# KiCad board GNSS_breakout_L86-M33.kicad_pcb (continued)
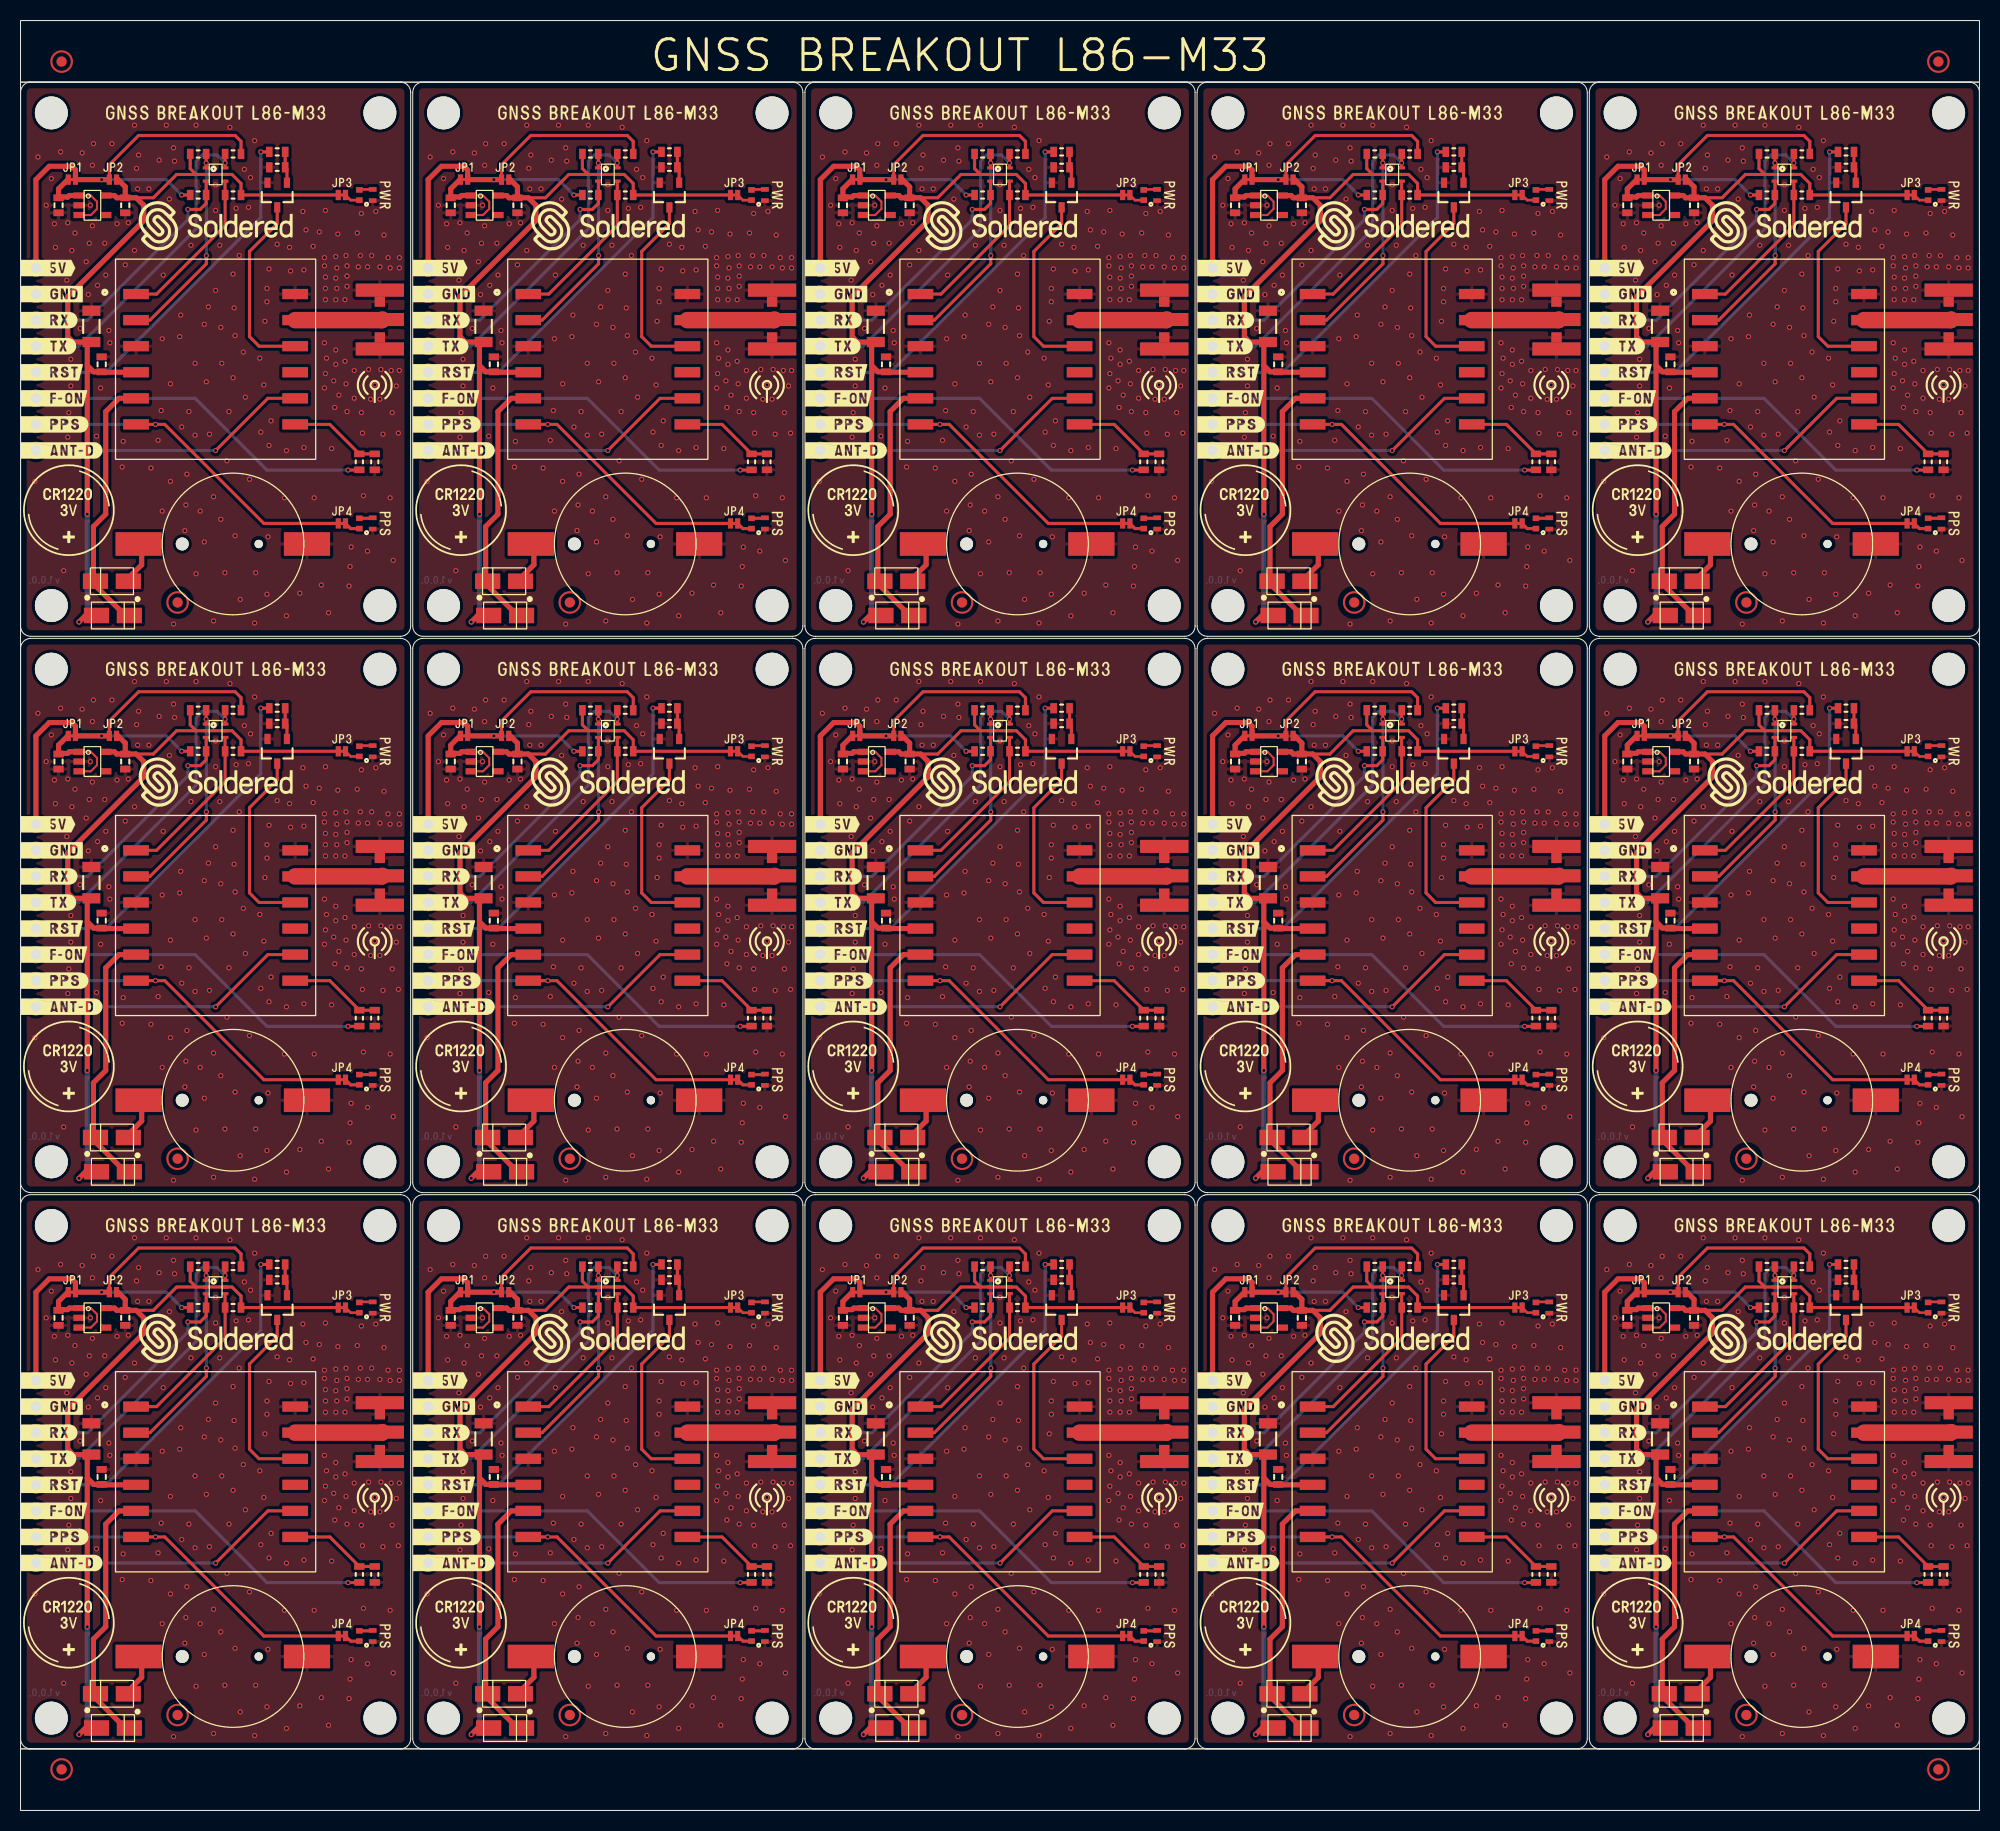
[diagram p0: board, top side]
## Nets (continued)
Net-(D4-Pad1): D4.1 D4#2.1 D4#3.1 D4#4.1 D4#5.1 D4#6.1 D4#7.1 D4#8.1 D4#9.1 D4#10.1 D4#11.1 D4#12.1 D4#13.1 D4#14.1 D4#15.1 R10.2 R10#2.2 R10#3.2 R10#4.2 R10#5.2 R10#6.2 R10#7.2 R10#8.2 R10#9.2 R10#10.2 R10#11.2 R10#12.2 R10#13.2 R10#14.2 R10#15.2
Net-(JP3-Pad2): JP3.2 JP3#2.2 JP3#3.2 JP3#4.2 JP3#5.2 JP3#6.2 JP3#7.2 JP3#8.2 JP3#9.2 JP3#10.2 JP3#11.2 JP3#12.2 JP3#13.2 JP3#14.2 JP3#15.2 R9.1 R9#2.1 R9#3.1 R9#4.1 R9#5.1 R9#6.1 R9#7.1 R9#8.1 R9#9.1 R9#10.1 R9#11.1 R9#12.1 R9#13.1 R9#14.1 R9#15.1
Net-(JP4-Pad2): JP4.2 JP4#2.2 JP4#3.2 JP4#4.2 JP4#5.2 JP4#6.2 JP4#7.2 JP4#8.2 JP4#9.2 JP4#10.2 JP4#11.2 JP4#12.2 JP4#13.2 JP4#14.2 JP4#15.2 R10.1 R10#2.1 R10#3.1 R10#4.1 R10#5.1 R10#6.1 R10#7.1 R10#8.1 R10#9.1 R10#10.1 R10#11.1 R10#12.1 R10#13.1 R10#14.1 R10#15.1
Net-(Q1-Pad1): Q1.1 Q1#2.1 Q1#3.1 Q1#4.1 Q1#5.1 Q1#6.1 Q1#7.1 Q1#8.1 Q1#9.1 Q1#10.1 Q1#11.1 Q1#12.1 Q1#13.1 Q1#14.1 Q1#15.1 R2.2 R2#2.2 R2#3.2 R2#4.2 R2#5.2 R2#6.2 R2#7.2 R2#8.2 R2#9.2 R2#10.2 R2#11.2 R2#12.2 R2#13.2 R2#14.2 R2#15.2 R6.1 R6#2.1 R6#3.1 R6#4.1 R6#5.1 R6#6.1 R6#7.1 R6#8.1 R6#9.1 R6#10.1 R6#11.1 R6#12.1 R6#13.1 R6#14.1 R6#15.1
Net-(Q1-Pad3): Q1.3 Q1#2.3 Q1#3.3 Q1#4.3 Q1#5.3 Q1#6.3 Q1#7.3 Q1#8.3 Q1#9.3 Q1#10.3 Q1#11.3 Q1#12.3 Q1#13.3 Q1#14.3 Q1#15.3 U2.10 U2#2.10 U2#3.10 U2#4.10 U2#5.10 U2#6.10 U2#7.10 U2#8.10 U2#9.10 U2#10.10 U2#11.10 U2#12.10 U2#13.10 U2#14.10 U2#15.10
Net-(R1-Pad2): R1.2 R1#2.2 R1#3.2 R1#4.2 R1#5.2 R1#6.2 R1#7.2 R1#8.2 R1#9.2 R1#10.2 R1#11.2 R1#12.2 R1#13.2 R1#14.2 R1#15.2 R5.1 R5#2.1 R5#3.1 R5#4.1 R5#5.1 R5#6.1 R5#7.1 R5#8.1 R5#9.1 R5#10.1 R5#11.1 R5#12.1 R5#13.1 R5#14.1 R5#15.1 U2.7 U2#2.7 U2#3.7 U2#4.7 U2#5.7 U2#6.7 U2#7.7 U2#8.7 U2#9.7 U2#10.7 U2#11.7 U2#12.7 U2#13.7 U2#14.7 U2#15.7

Pads without a net: FD1 1; FD1#2 1; FD1#3 1; FD1#4 1; FD1#5 1; FD1#6 1; FD1#7 1; FD1#8 1; FD1#9 1; FD1#10 1; FD1#11 1; FD1#12 1; FD1#13 1; FD1#14 1; FD1#15 1; FD1#16 1; FD1#17 1; FD1#18 1; FD1#19 1; U2 9; U2#2 9; U2#3 9; U2#4 9; U2#5 9; U2#6 9; U2#7 9; U2#8 9; U2#9 9; U2#10 9; U2#11 9; U2#12 9; U2#13 9; U2#14 9; U2#15 9; U3 4; U3#2 4; U3#3 4; U3#4 4; U3#5 4; U3#6 4; U3#7 4; U3#8 4; U3#9 4; U3#10 4; U3#11 4; U3#12 4; U3#13 4; U3#14 4; U3#15 4

## Via types
v1: diameter 0.5, hole 0.3, Top to Bottom, 3150 vias

## Routing (per net, layer and track width the routed paths; a pad name or vN(x,y) marks a point on that pad's centre or on a via; arc(x,y) is an arc through that point)
3V3: length 1254.5
  Top w0.3: JP3#14.1 R8#2.2 136.07,158.53 135.2,159.4 U1#14.5 U1#14.2 131.7,159.4 ; 131.7,105.2 129.8,105.2 127.53,102.93 125.87,102.93 ; 131.7,105.2 131.12,105.78 R3#13.1 ; 131.7,105.2 U1#4.2 U1#4.5 135.2,105.2 136.07,104.32 R8#5.2 JP3#8.1 ; JP3#4.1 R8#4.2 174.27,104.32 173.4,105.2 U1#8.5 U1#8.2 169.9,105.2 ; R3#15.1 54.72,159.97 55.3,159.4 ; 11.27,157.13 12.93,157.13 15.2,159.4 17.1,159.4 ; 93.5,51 92.93,51.57 R3#4.1 ; 93.5,51 U1#2.2 U1#2.5 97,51 97.88,50.12 R8#10.2 JP3#15.1 ; 93.5,51 91.6,51 89.33,48.73 87.67,48.73 ; 169.32,53 169.32,51.57 169.9,51 ; 131.7,159.4 131.12,159.97 R3#9.1 ; 131.7,159.4 129.8,159.4 127.53,157.13 125.87,157.13 ; 49.47,157.13 51.13,157.13 53.4,159.4 55.3,159.4 ; 131.7,51 131.12,51.57 R3#12.1 ; 131.7,51 U1#10.2 U1#10.5 135.2,51 136.07,50.12 R8#6.2 JP3#2.1 ; 131.7,51 129.8,51 127.53,48.73 125.87,48.73 ; R3#8.1 54.72,51.57 55.3,51 ; JP3.1 R8#11.2 59.68,158.53 58.8,159.4 U1#3.5 U1#3.2 55.3,159.4 ; JP3#10.1 R8#12.2 174.27,158.53 173.4,159.4 U1#12.5 U1#12.2 169.9,159.4 ; 87.67,102.93 89.33,102.93 91.6,105.2 93.5,105.2 ; 169.9,105.2 168,105.2 165.73,102.93 164.07,102.93 ; 169.9,105.2 169.32,105.78 169.32,107.2 ; 17.1,159.4 U1#5.2 U1#5.5 20.6,159.4 21.47,158.53 R8#15.2 JP3#11.1 ; 17.1,159.4 16.53,159.97 R3#5.1 ; 169.9,159.4 168,159.4 165.73,157.13 164.07,157.13 ; 169.9,159.4 169.32,159.97 169.32,161.4 ; 11.27,48.73 12.93,48.73 15.2,51 17.1,51 ; 93.5,159.4 91.6,159.4 89.33,157.13 87.67,157.13 ; 93.5,159.4 U1#6.2 U1#6.5 97,159.4 97.88,158.53 R8#14.2 JP3#7.1 ; 93.5,159.4 92.93,159.97 R3#11.1 ; 17.1,51 16.53,51.57 R3#7.1 ; 17.1,51 U1#7.2 U1#7.5 20.6,51 21.47,50.12 R8#13.2 JP3#3.1 ; 169.9,51 U1#11.2 U1#11.5 173.4,51 174.27,50.12 R8#8.2 JP3#13.1 ; 169.9,51 168,51 165.73,48.73 164.07,48.73 ; JP3#5.1 R8#3.2 59.68,50.12 58.8,51 U1#13.5 U1#13.2 55.3,51 ; 55.3,105.2 53.4,105.2 51.13,102.93 49.47,102.93 ; 55.3,105.2 U1.2 U1.5 58.8,105.2 59.68,104.32 R8.2 JP3#12.1 ; 55.3,105.2 54.72,105.78 R3#10.1 ; 93.5,105.2 U1#9.2 U1#9.5 97,105.2 97.88,104.32 R8#9.2 JP3#6.1 ; 93.5,105.2 92.93,105.78 R3#2.1 ; R3#3.1 16.53,105.78 17.1,105.2 ; 55.3,51 53.4,51 51.13,48.73 49.47,48.73 ; 17.1,105.2 U1#15.2 U1#15.5 20.6,105.2 21.47,104.32 R8#7.2 JP3#9.1 ; 17.1,105.2 15.2,105.2 12.93,102.93 11.27,102.93
  Top w0.5: U2#10.4 122.54,85.93 C1#7.2 121.73,85.97 121.1,86.6 ; JP2#12.2 162.3,158.9 163,158.2 C4#10.2 162.17,157.13 161.95,157.35 U3#13.5 ; U3#3.5 123.75,157.35 123.97,157.13 C4#3.2 124.8,158.2 124.1,158.9 JP2#2.2 ; U2#6.4 160.74,140.13 C1.2 159.93,140.17 159.3,140.8 ; 44.7,86.6 45.33,85.97 C1#2.2 46.14,85.93 U2#12.4 ; 44.7,86.6 44.7,88.47 C2#9.2 43.32,88.88 42.8,89.4 42.8,93.3 50.2,100.7 50.2,102.2 49.47,102.93 48.2,102.93 48.17,102.9 ; 44.7,86.6 v1(44.7,72.1) ; U2#4.4 160.74,31.73 C1#15.2 159.93,31.77 159.3,32.4 ; JP2#10.2 85.9,104.7 86.6,104 C4#12.2 85.77,102.93 85.55,103.15 U3#4.5 ; 86.37,48.7 86.4,48.73 87.67,48.73 88.4,48 88.4,46.5 81,39.1 81,35.2 81.53,34.68 83.3,34.68 82.9,34.28 82.9,32.4 ; 121.1,32.4 121.1,34.28 121.5,34.68 119.72,34.68 119.2,35.2 119.2,39.1 126.6,46.5 126.6,48 125.87,48.73 124.6,48.73 124.57,48.7 ; 121.1,32.4 121.73,31.77 C1#6.2 122.54,31.73 U2#11.4 ; 121.1,32.4 v1(121.1,17.9) ; 159.3,140.8 v1(159.3,126.3) ; 159.3,140.8 159.3,142.68 159.7,143.07 157.93,143.07 157.4,143.6 157.4,147.5 164.8,154.9 164.8,156.4 164.07,157.13 162.8,157.13 162.77,157.1 ; 6.5,32.4 7.13,31.77 C1#3.2 7.94,31.73 U2#9.4 ; 6.5,32.4 6.5,34.28 6.9,34.68 5.12,34.68 4.6,35.2 4.6,39.1 12,46.5 12,48 11.27,48.73 10,48.73 9.97,48.7 ; 6.5,32.4 v1(6.5,17.9) ; 6.5,86.6 v1(6.5,72.1) ; 6.5,86.6 6.5,88.47 C2.2 5.12,88.88 4.6,89.4 4.6,93.3 12,100.7 12,102.2 11.27,102.93 10,102.93 9.97,102.9 ; 6.5,86.6 7.13,85.97 C1#9.2 7.94,85.93 U2#14.4 ; v1(5.7,7.4) 6.33,8.03 7,8.03 ; 121.1,86.6 v1(121.1,72.1) ; 121.1,86.6 121.1,88.47 C2#2.2 119.72,88.88 119.2,89.4 119.2,93.3 126.6,100.7 126.6,102.2 125.87,102.93 124.6,102.93 124.57,102.9 ; 83.4,8.03 82.73,8.03 v1(82.1,7.4) ; 82.9,86.6 v1(82.9,72.1) ; 82.9,86.6 82.9,88.47 C2#12.2 81.53,88.88 81,89.4 81,93.3 88.4,100.7 88.4,102.2 87.67,102.93 86.4,102.93 86.37,102.9 ; 82.9,86.6 83.53,85.97 C1#8.2 84.34,85.93 U2#7.4 ; 44.7,140.8 44.7,142.68 45.1,143.07 43.32,143.07 42.8,143.6 42.8,147.5 50.2,154.9 50.2,156.4 49.47,157.13 48.2,157.13 48.17,157.1 ; 44.7,140.8 45.33,140.17 C1#5.2 46.14,140.13 U2#2.4 ; 44.7,140.8 v1(44.7,126.3) ; v1(158.5,61.6) 159.13,62.23 159.8,62.23 ; JP2#6.2 124.1,50.5 124.8,49.8 C4#14.2 123.97,48.73 123.75,48.95 U3.5 ; 48.17,48.7 48.2,48.73 49.47,48.73 50.2,48 50.2,46.5 42.8,39.1 42.8,35.2 43.32,34.68 45.1,34.68 44.7,34.28 44.7,32.4 ; 159.3,86.6 v1(159.3,72.1) ; 159.3,86.6 159.3,88.47 C2#3.2 157.93,88.88 157.4,89.4 157.4,93.3 164.8,100.7 164.8,102.2 164.07,102.93 162.8,102.93 162.77,102.9 ; 159.3,86.6 159.93,85.97 C1#10.2 160.74,85.93 U2#5.4 ; U3#14.5 123.75,103.15 123.97,102.93 C4#7.2 124.8,104 124.1,104.7 JP2#14.2 ; U3#9.5 9.15,103.15 9.37,102.93 C4#11.2 10.2,104 9.5,104.7 JP2#4.2 ; 82.9,32.4 83.53,31.77 C1#11.2 84.34,31.73 U2#15.4 ; 82.9,32.4 v1(82.9,17.9) ; v1(44.7,17.9) 44.7,32.4 ; 121.6,62.23 120.93,62.23 v1(120.3,61.6) ; JP2#9.2 47.7,158.9 48.4,158.2 C4#8.2 47.57,157.13 47.35,157.35 U3#12.5 ; v1(5.7,61.6) 6.33,62.23 7,62.23 ; U3#15.5 47.35,103.15 47.57,102.93 C4.2 48.4,104 47.7,104.7 JP2#8.2 ; v1(82.1,61.6) 82.73,62.23 83.4,62.23 ; 121.1,140.8 121.1,142.68 121.5,143.07 119.72,143.07 119.2,143.6 119.2,147.5 126.6,154.9 126.6,156.4 125.87,157.13 124.6,157.13 124.57,157.1 ; 121.1,140.8 121.73,140.17 C1#13.2 122.54,140.13 U2#8.4 ; 121.1,140.8 v1(121.1,126.3) ; 7,116.43 6.33,116.43 v1(5.7,115.8) ; v1(158.5,7.4) 159.13,8.03 159.8,8.03 ; 82.9,140.8 82.9,142.68 83.3,143.07 81.53,143.07 81,143.6 81,147.5 88.4,154.9 88.4,156.4 87.67,157.13 86.4,157.13 86.37,157.1 ; 82.9,140.8 v1(82.9,126.3) ; 82.9,140.8 83.53,140.17 C1#4.2 84.34,140.13 U2#3.4 ; 44.7,32.4 45.33,31.77 C1#12.2 46.14,31.73 U2#13.4 ; JP2#7.2 85.9,50.5 86.6,49.8 C4#9.2 85.77,48.73 85.55,48.95 U3#8.5 ; v1(43.9,115.8) 44.53,116.43 45.2,116.43 ; 121.6,8.03 120.93,8.03 v1(120.3,7.4) ; 162.77,48.7 162.8,48.73 164.07,48.73 164.8,48 164.8,46.5 157.4,39.1 157.4,35.2 157.93,34.68 159.7,34.68 159.3,34.28 159.3,32.4 ; 159.3,32.4 v1(159.3,17.9) ; v1(43.9,7.4) 44.53,8.03 45.2,8.03 ; U3#7.5 161.95,103.15 162.17,102.93 C4#15.2 163,104 162.3,104.7 JP2#3.2 ; 83.4,116.43 82.73,116.43 v1(82.1,115.8) ; v1(158.5,115.8) 159.13,116.43 159.8,116.43 ; U3#6.5 85.55,157.35 85.77,157.13 C4#2.2 86.6,158.2 85.9,158.9 JP2#11.2 ; v1(120.3,115.8) 120.93,116.43 121.6,116.43 ; U3#5.5 47.35,48.95 47.57,48.73 C4#4.2 48.4,49.8 47.7,50.5 JP2#5.2 ; 6.5,140.8 6.5,142.68 6.9,143.07 5.12,143.07 4.6,143.6 4.6,147.5 12,154.9 12,156.4 11.27,157.13 10,157.13 9.97,157.1 ; 6.5,140.8 7.13,140.17 C1#14.2 7.94,140.13 U2.4 ; 6.5,140.8 v1(6.5,126.3) ; U3#10.5 9.15,157.35 9.37,157.13 C4#5.2 10.2,158.2 9.5,158.9 JP2.2 ; 45.2,62.23 44.53,62.23 v1(43.9,61.6) ; JP2#15.2 162.3,50.5 163,49.8 C4#13.2 162.17,48.73 161.95,48.95 U3#11.5 ; JP2#13.2 9.5,50.5 10.2,49.8 C4#6.2 9.37,48.73 9.15,48.95 U3#2.5
  Bottom w0.5: v1(158.5,7.4) 159.3,8.2 v1(159.3,17.9) ; v1(5.7,115.8) 6.5,116.6 v1(6.5,126.3) ; v1(82.1,61.6) 82.9,62.4 v1(82.9,72.1) ; v1(120.3,115.8) 121.1,116.6 v1(121.1,126.3) ; v1(120.3,7.4) 121.1,8.2 v1(121.1,17.9) ; v1(6.5,72.1) 6.5,62.4 v1(5.7,61.6) ; v1(82.9,17.9) 82.9,8.2 v1(82.1,7.4) ; v1(43.9,61.6) 44.7,62.4 v1(44.7,72.1) ; v1(120.3,61.6) 121.1,62.4 v1(121.1,72.1) ; v1(6.5,17.9) 6.5,8.2 v1(5.7,7.4) ; v1(82.9,126.3) 82.9,116.6 v1(82.1,115.8) ; v1(158.5,61.6) 159.3,62.4 v1(159.3,72.1) ; v1(43.9,115.8) 44.7,116.6 v1(44.7,126.3) ; v1(44.7,17.9) 44.7,8.2 v1(43.9,7.4) ; v1(158.5,115.8) 159.3,116.6 v1(159.3,126.3)
5V: length 653.4
  Top w0.3: R7#10.2 97.88,108.43 97.3,109 87.9,109 85.05,106.15 JP2#10.1 ; R7#4.2 97.88,162.62 97.3,163.2 87.9,163.2 85.05,160.35 JP2#11.1 ; R4#7.1 v1(92.1,49) ; 169.32,157.4 v1(168.5,157.4) ; R4#12.1 v1(130.3,103.2) ; R4.1 v1(15.7,157.4) ; R4#4.1 v1(15.7,49) ; JP2#8.1 46.85,106.15 49.7,109 59.1,109 59.68,108.43 R7#3.2 ; R4#3.1 v1(130.3,49) ; R4#2.1 v1(53.9,49) ; R7#2.2 136.07,54.22 135.5,54.8 126.1,54.8 123.25,51.95 JP2#6.1 ; R7.2 59.68,162.62 59.1,163.2 49.7,163.2 46.85,160.35 JP2#9.1 ; R4#6.1 v1(92.1,157.4) ; JP2#7.1 85.05,51.95 87.9,54.8 97.3,54.8 97.88,54.22 R7#9.2 ; R4#15.1 v1(92.1,103.2) ; JP2#4.1 8.65,106.15 11.5,109 20.9,109 21.47,108.43 R7#11.2 ; JP2#15.1 161.45,51.95 164.3,54.8 173.7,54.8 174.27,54.22 R7#8.2 ; JP2.1 8.65,160.35 11.5,163.2 20.9,163.2 21.47,162.62 R7#14.2 ; R4#5.1 v1(53.9,103.2) ; R7#7.2 136.07,162.62 135.5,163.2 126.1,163.2 123.25,160.35 JP2#2.1 ; R7#12.2 174.27,162.62 173.7,163.2 164.3,163.2 161.45,160.35 JP2#12.1 ; 169.32,49 v1(168.5,49) ; R4#10.1 v1(130.3,157.4) ; JP2#3.1 161.45,106.15 164.3,109 173.7,109 174.27,108.43 R7#6.2 ; R4#14.1 v1(15.7,103.2) ; 169.32,103.2 v1(168.5,103.2) ; R7#13.2 136.07,108.43 135.5,109 126.1,109 123.25,106.15 JP2#14.1 ; R7#5.2 59.68,54.22 59.1,54.8 49.7,54.8 46.85,51.95 JP2#5.1 ; R7#15.2 21.47,54.22 20.9,54.8 11.5,54.8 8.65,51.95 JP2#13.1 ; R4#11.1 v1(53.9,157.4)
  Top w0.5: JP2#2.1 v1(122.5,158.9) JP1#15.2 119.95,159.85 119.6,160.2 117.4,160.2 116.1,158.9 K3#13.8 ; K3.8 1.5,158.9 2.8,160.2 5,160.2 5.35,159.85 JP1#3.2 v1(7.9,158.9) JP2.1 ; JP2#7.1 v1(84.3,50.5) JP1#14.2 81.75,51.45 81.4,51.8 79.2,51.8 77.9,50.5 K3#14.8 ; JP2#11.1 v1(84.3,158.9) JP1#6.2 81.75,159.85 81.4,160.2 79.2,160.2 77.9,158.9 K3#12.8 ; K3#2.8 39.7,50.5 41,51.8 43.2,51.8 43.55,51.45 JP1#4.2 v1(46.1,50.5) JP2#5.1 ; K3#7.8 154.3,104.7 155.6,106 157.8,106 158.15,105.65 JP1#8.2 v1(160.7,104.7) JP2#3.1 ; K3#9.8 154.3,158.9 155.6,160.2 157.8,160.2 158.15,159.85 JP1.2 v1(160.7,158.9) JP2#12.1 ; K3#6.8 1.5,50.5 2.8,51.8 5,51.8 5.35,51.45 JP1#12.2 v1(7.9,50.5) JP2#13.1 ; K3#8.8 77.9,104.7 79.2,106 81.4,106 81.75,105.65 JP1#11.2 v1(84.3,104.7) JP2#10.1 ; K3#15.8 1.5,104.7 2.8,106 5,106 5.35,105.65 JP1#9.2 v1(7.9,104.7) JP2#4.1 ; K3#3.8 116.1,104.7 117.4,106 119.6,106 119.95,105.65 JP1#7.2 v1(122.5,104.7) JP2#14.1 ; K3#10.8 154.3,50.5 155.6,51.8 157.8,51.8 158.15,51.45 JP1#5.2 v1(160.7,50.5) JP2#15.1 ; JP2#6.1 v1(122.5,50.5) JP1#2.2 119.95,51.45 119.6,51.8 117.4,51.8 116.1,50.5 K3#4.8 ; K3#11.8 39.7,104.7 41,106 43.2,106 43.55,105.65 JP1#13.2 v1(46.1,104.7) JP2#8.1 ; K3#5.8 39.7,158.9 41,160.2 43.2,160.2 43.55,159.85 JP1#10.2 v1(46.1,158.9) JP2#9.1
  Bottom w0.3: v1(53.9,49) 52.4,50.5 v1(46.1,50.5) ; v1(130.3,103.2) 128.8,104.7 v1(122.5,104.7) ; v1(122.5,158.9) 128.8,158.9 v1(130.3,157.4) ; v1(122.5,50.5) 128.8,50.5 v1(130.3,49) ; v1(84.3,50.5) 90.6,50.5 v1(92.1,49) ; v1(53.9,103.2) 52.4,104.7 v1(46.1,104.7) ; v1(15.7,103.2) 14.2,104.7 v1(7.9,104.7) ; v1(15.7,49) 14.2,50.5 v1(7.9,50.5) ; v1(160.7,104.7) 167,104.7 v1(168.5,103.2) ; v1(92.1,103.2) 90.6,104.7 v1(84.3,104.7) ; v1(168.5,49) 167,50.5 v1(160.7,50.5) ; v1(53.9,157.4) 52.4,158.9 v1(46.1,158.9) ; v1(15.7,157.4) 14.2,158.9 v1(7.9,158.9) ; v1(160.7,158.9) 167,158.9 v1(168.5,157.4) ; v1(92.1,157.4) 90.6,158.9 v1(84.3,158.9)
GND: